# KiCad board mainboard.kicad_pcb (continued)
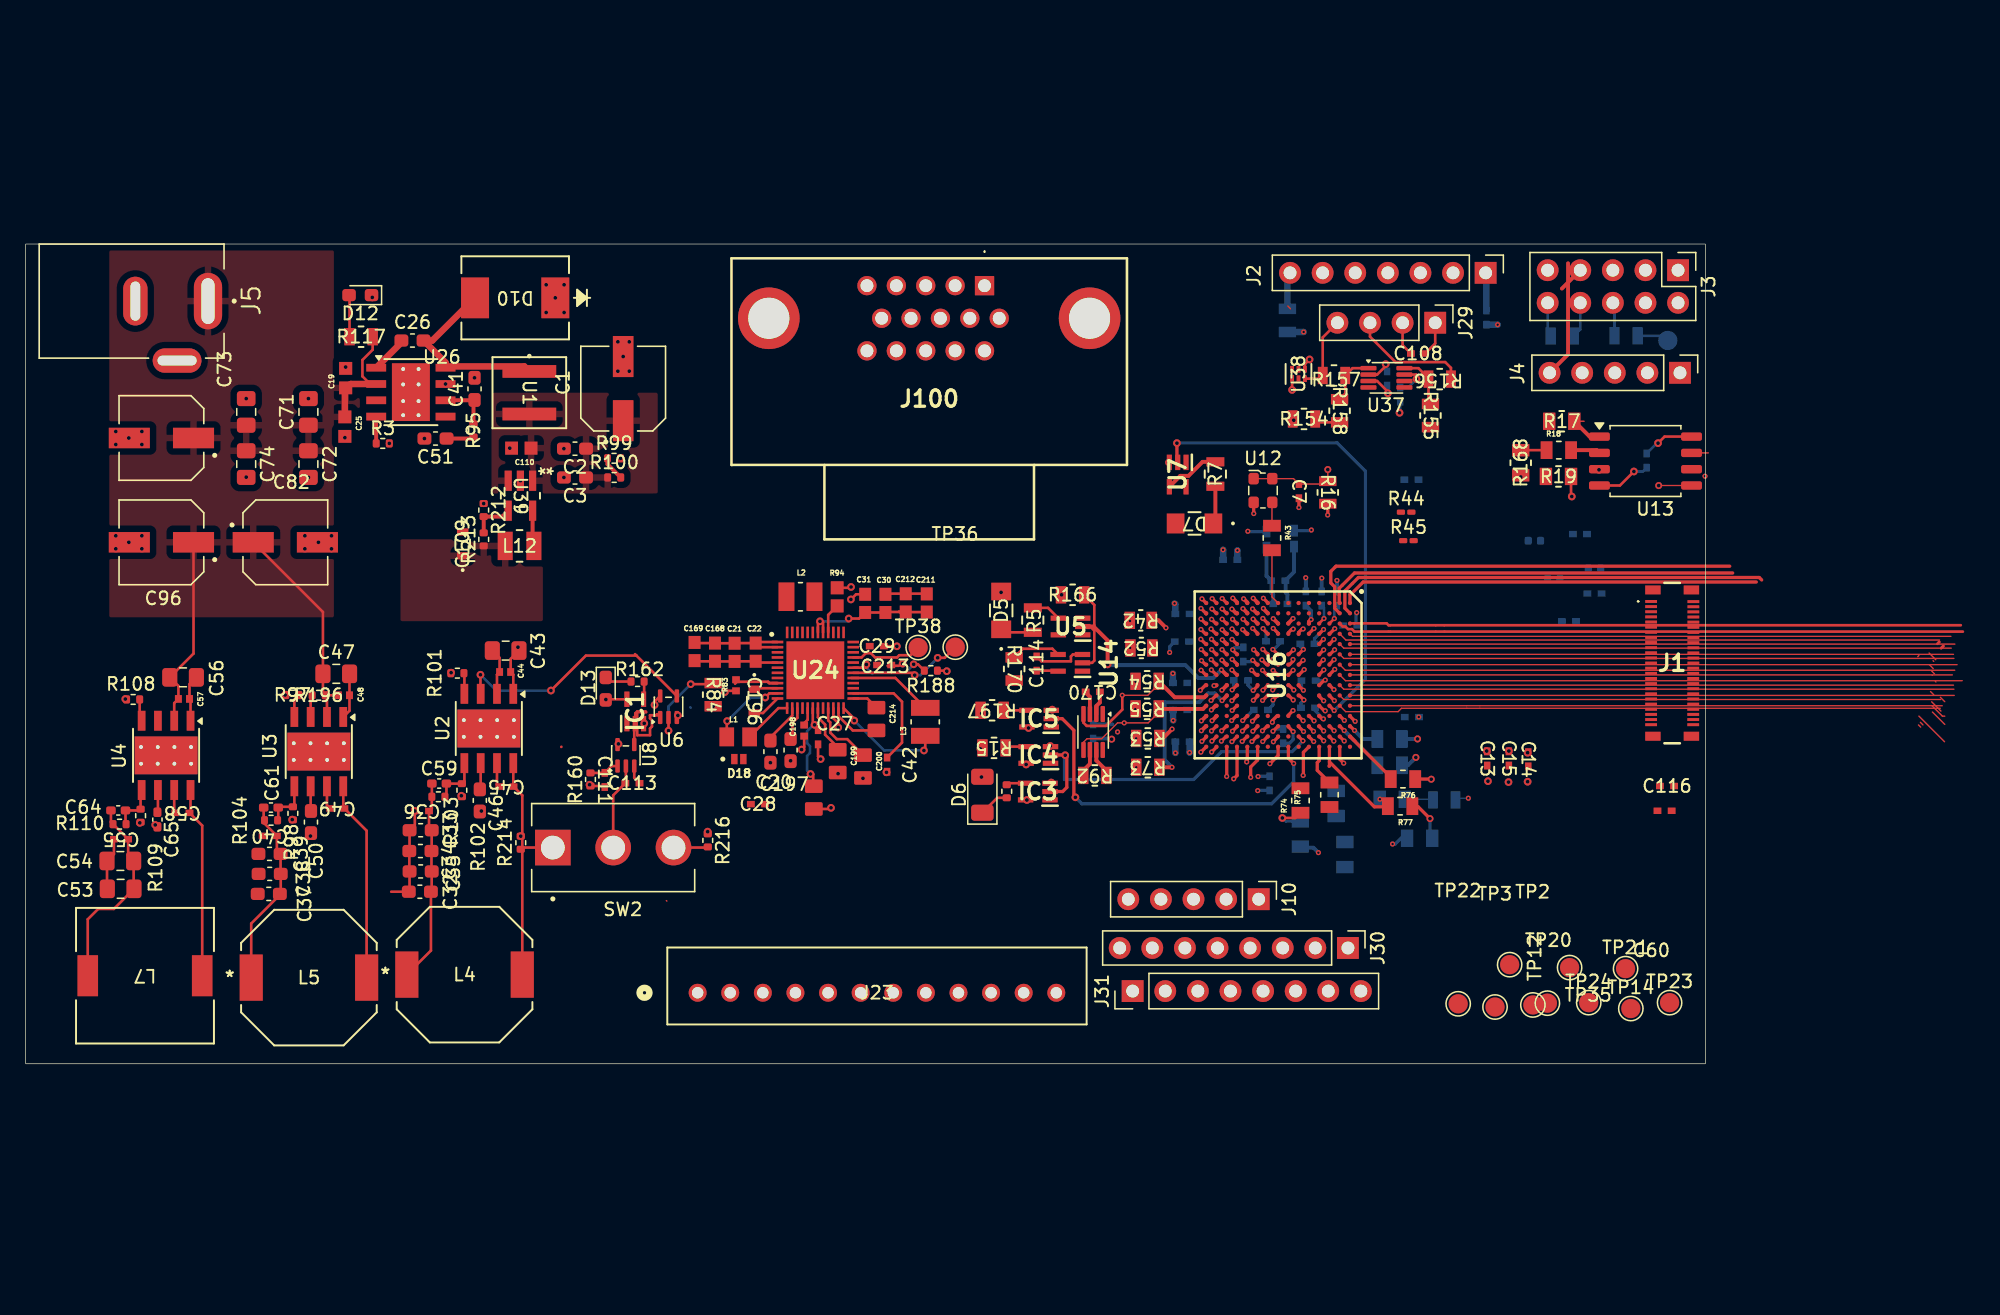
[diagram p0: board, top side]
## Library data of the parts (continued)
R94 R188 = -: Description: Resistor, US symbol; ki_fp_filters: R_*
R98 = -: Description: Resistor, US symbol; Manufacturer_Part_Number: ERJ-2RKF1243X; ki_fp_filters: R_*
R102 = -: Description: Resistor, US symbol; Manufacturer_Part_Number: MCR01MZPF4993; ki_fp_filters: R_*
R103 R104 R110 = -: Description: Resistor, US symbol; Manufacturer_Part_Number: CRCW0402100KFKED; ki_fp_filters: R_*
R109 = -: Description: Resistor, US symbol; Manufacturer_Part_Number: RC0402JR-073RL; ki_fp_filters: R_*
R162 = -: Description: Resistor, US symbol; Manufacturer_Part_Number: ERJ-2RKF2000X; ki_fp_filters: R_*
SW2 = -: PARTREV: E; STANDARD: Manufacturer Recommendations; MAXIMUM_PACKAGE_HEIGHT: 29.68 mm; MANUFACTURER: E-Switch
TP2 TP3 TP7 TP12 TP14 TP20-TP24 TP35 TP36 TP38 = -: Description: test point; ki_fp_filters: Pin* Test*
U1 = -: ki_fp_filters: XAL5030-472MEC_COC XAL5030-472MEC_COC-M XAL5030-472MEC_COC-L
U2-U4 = -: Datasheet: http://www.ti.com/lit/ds/symlink/lmr33610.pdf; Description: Simple Switcher Synchronous Buck Regulator, Vin=3.8-36V, Iout=1A, F=1400kHz, Adjustable output voltage, HSOP-8; ki_fp_filters: Texas*HSOP*1EP*
U6 = -: Datasheet: http://www.ti.com/lit/sg/scyt129e/scyt129e.pdf; Description: Single AND Gate, Low-Voltage CMOS; ki_fp_filters: SOT* SG-*
U8 = -: Datasheet: http://www.ti.com/lit/sg/scyt129e/scyt129e.pdf; Description: Single OR Gate, Low-Voltage CMOS; ki_fp_filters: SOT* SG-*
U12 = -: Datasheet: https://www.ecsxtal.com/store/pdf/ECS-2520MV.pdf; Description: HCMOS Crystal Clock Oscillator, 2.5x2.0 mm SMD; ki_fp_filters: Oscillator*SMD*ECS*2520MV*2.5x2.0mm*
U13 = -: Datasheet: https://www.macronix.com/Lists/Datasheet/Attachments/8933/MX25L3233F,%203V,%2032Mb,%20v1.7.pdf; Description: 32-Mbit, 3V (2.65V-3.6V) SPI Serial Flash Memory, SOIC-8 (SOP-8, 208 mil); ki_fp_filters: *SOIC*5.3x5.3mm*P1.27mm*
U16 = -: Datasheet: https://pdf1.alldatasheet.com/datasheet-pdf/view/1350713/TI/DLPC1438ZEZ.html; Description: Display Drivers & Controllers DLP controller for DLP300S and DLP301S digital micromirror devices (DMDs); Height: 1; Mouser Part Number: 595-DLPC1438ZEZ; Mouser Price/Stock: https://www.mouser.co.uk/ProductDetail/Texas-Instruments/DLPC1438ZEZ?qs=Wj%2FVkw3K%252BMDqwpT9OEVJ1g%3D%3D; Manufacturer_Name: Texas Instruments
U22 U37 = -: Datasheet: http://www.ti.com/lit/gpn/txs0102; Description: 2-Bit Bidirectional Voltage-Level Shifter for Open-Drain and Push-Pull Application, VSSOP-8; ki_fp_filters: VSSOP*2.3x2mm*P0.5mm*
U24 = -: Datasheet: http://www.ti.com/lit/gpn/dlpa2005; Description: High Current PMIC/LED Driver for DLP2010 DMD and DLP2010NIR (0.2 WVGA) DMD; Height: 1; Mouser Part Number: 595-DLPA2005ERSLT; Mouser Price/Stock: https://www.mouser.co.uk/ProductDetail/Texas-Instruments/DLPA2005ERSLT?qs=1CfNGUMoiQ9ojzQFPEJYnA%3D%3D; Manufacturer_Name: Texas Instruments
U26 = -: Datasheet: http://www.ti.com/lit/ds/symlink/tps54340.pdf; Description: 3.5A, Step Down DC-DC Converter with Eco-mode, 4.5-42V Input Voltage, PowerSO-8; ki_fp_filters: TI*SO*PowerPAD*ThermalVias*
U38 = -: Datasheet: https://www.ti.com/lit/gpn/tpd2e001; ki_fp_filters: DRY6
U39 = -: Datasheet: https://www.ti.com/lit/gpn/tps62260; ki_fp_filters: DDC5 DDC5-M DDC5-L

## Footprints (pads in the part's own frame, mm; a bottom-side part is the same pattern mirrored in y, then rotated)
AHDF15AKGTAXB
  rect 1.5x1.5 hole 1: 1(4.37,8.89)
  round 1.5 hole 1: 2(2.08,8.89) 3(-0.21,8.89) 4(-2.5,8.89) 5(-4.79,8.89) 6(5.515,6.35) 7(3.225,6.35) 8(0.935,6.35) 9(-1.355,6.35) 10(-3.645,6.35) 11(4.37,3.81) 12(2.08,3.81) 13(-0.21,3.81) 14(-2.5,3.81) 15(-4.79,3.81)
  round 4.8 hole 3.2: MH1(12.555,6.35) MH2(-12.435,6.35)
AXT550124
  rect 0.92x0.23 smd: 1(-1.64,4.8) 2(-1.64,4.4) 3(-1.64,4) 4(-1.64,3.6) 5(-1.64,3.2) 6(-1.64,2.8) 7(-1.64,2.4) 8(-1.64,2) 9(-1.64,1.6) 10(-1.64,1.2) 11(-1.64,0.8) 12(-1.64,0.4) 13(-1.64,0) 14(-1.64,-0.4) 15(-1.64,-0.8) 16(-1.64,-1.2) 17(-1.64,-1.6) 18(-1.64,-2) 19(-1.64,-2.4) 20(-1.64,-2.8) 21(-1.64,-3.2) 22(-1.64,-3.6) 23(-1.64,-4) 24(-1.64,-4.4) 25(-1.64,-4.8) 26(1.64,-4.8) 27(1.64,-4.4) 28(1.64,-4) 29(1.64,-3.6) 30(1.64,-3.2) 31(1.64,-2.8) 32(1.64,-2.4) 33(1.64,-2) 34(1.64,-1.6) 35(1.64,-1.2) 36(1.64,-0.8) 37(1.64,-0.4) 38(1.65,0) 39(1.65,0.39) 40(1.65,0.79) 41(1.65,1.19) 42(1.65,1.59) 43(1.65,1.99) 44(1.65,2.39) 45(1.65,2.79) 46(1.65,3.19) 47(1.65,3.59) 48(1.65,3.99) 49(1.65,4.39) 50(1.65,4.79)
  rect 1.2x0.7 smd: 51(-1.5,5.7) 52(1.5,5.7) 53(-1.5,-5.7) 54(1.5,-5.7)
B12B-XH-A-LF-SN-
  round 1.397 hole 0.889: 1(0,0) 2(2.54,0) 3(5.08,0) 4(7.62,0) 5(10.16,0) 6(12.7,0) 7(15.24,0) 8(17.78,0) 9(20.32,0) 10(22.86,0) 11(25.4,0) 12(27.94,0)
BGA201C80P15X15_1300X1300X100
  round 0.33 smd: A1(-5.6,5.6) A2(-4.8,5.6) A3(-4,5.6) A4(-3.2,5.6) A5(-2.4,5.6) A6(-1.6,5.6) A7(-0.8,5.6) A8(0,5.6) A9(0.8,5.6) A10(1.6,5.6) A11(2.4,5.6) A12(3.2,5.6) A13(4,5.6) A14(4.8,5.6) A15(5.6,5.6) B1(-5.6,4.8) B2(-4.8,4.8) B3(-4,4.8) B4(-3.2,4.8) B5(-2.4,4.8) B6(-1.6,4.8) B7(-0.8,4.8) B8(0,4.8) B9(0.8,4.8) B10(1.6,4.8) B11(2.4,4.8) B12(3.2,4.8) B13(4,4.8) B14(4.8,4.8) B15(5.6,4.8) C1(-5.6,4) C2(-4.8,4) C3(-4,4) C4(-3.2,4) C5(-2.4,4) C6(-1.6,4) C7(-0.8,4) C8(0,4) C9(0.8,4) C10(1.6,4) C11(2.4,4) C12(3.2,4) C13(4,4) C14(4.8,4) C15(5.6,4) D1(-5.6,3.2) D2(-4.8,3.2) D3(-4,3.2) D4(-3.2,3.2) D5(-2.4,3.2) D6(-1.6,3.2) D7(-0.8,3.2) D8(0,3.2) D9(0.8,3.2) D10(1.6,3.2) D11(2.4,3.2) D12(3.2,3.2) D13(4,3.2) D14(4.8,3.2) D15(5.6,3.2) E1(-5.6,2.4) E2(-4.8,2.4) E3(-4,2.4) E4(-3.2,2.4) E12(3.2,2.4) E13(4,2.4) E14(4.8,2.4) E15(5.6,2.4) F1(-5.6,1.6) F2(-4.8,1.6) F3(-4,1.6) F4(-3.2,1.6) F6(-1.6,1.6) F7(-0.8,1.6) F8(0,1.6) F9(0.8,1.6) F10(1.6,1.6) F12(3.2,1.6) F13(4,1.6) F14(4.8,1.6) F15(5.6,1.6) G1(-5.6,0.8) G2(-4.8,0.8) G3(-4,0.8) G4(-3.2,0.8) G6(-1.6,0.8) G7(-0.8,0.8) G8(0,0.8) G9(0.8,0.8) G10(1.6,0.8) G12(3.2,0.8) G13(4,0.8) G14(4.8,0.8) G15(5.6,0.8) H1(-5.6,0) H2(-4.8,0) H3(-4,0) H4(-3.2,0) H6(-1.6,0) H7(-0.8,0) H8(0,0) H9(0.8,0) H10(1.6,0) H12(3.2,0) H13(4,0) H14(4.8,0) H15(5.6,0) J1(-5.6,-0.8) J2(-4.8,-0.8) J3(-4,-0.8) J4(-3.2,-0.8) J6(-1.6,-0.8) J7(-0.8,-0.8) J8(0,-0.8) J9(0.8,-0.8) J10(1.6,-0.8) J12(3.2,-0.8) J13(4,-0.8) J14(4.8,-0.8) J15(5.6,-0.8) K1(-5.6,-1.6) K2(-4.8,-1.6) K3(-4,-1.6) K4(-3.2,-1.6) K6(-1.6,-1.6) K7(-0.8,-1.6) K8(0,-1.6) K9(0.8,-1.6) K10(1.6,-1.6) K12(3.2,-1.6) K13(4,-1.6) K14(4.8,-1.6) K15(5.6,-1.6) L1(-5.6,-2.4) L2(-4.8,-2.4) L3(-4,-2.4) L4(-3.2,-2.4) L12(3.2,-2.4) L13(4,-2.4) L14(4.8,-2.4) L15(5.6,-2.4) M1(-5.6,-3.2) M2(-4.8,-3.2) M3(-4,-3.2) M4(-3.2,-3.2) M5(-2.4,-3.2) M6(-1.6,-3.2) M7(-0.8,-3.2) M8(0,-3.2) M9(0.8,-3.2) M10(1.6,-3.2) M11(2.4,-3.2) M12(3.2,-3.2) M13(4,-3.2) M14(4.8,-3.2) M15(5.6,-3.2) N1(-5.6,-4) N2(-4.8,-4) N3(-4,-4) N4(-3.2,-4) N5(-2.4,-4) N6(-1.6,-4) N7(-0.8,-4) N8(0,-4) N9(0.8,-4) N10(1.6,-4) N11(2.4,-4) N12(3.2,-4) N13(4,-4) N14(4.8,-4) N15(5.6,-4) P1(-5.6,-4.8) P2(-4.8,-4.8) P3(-4,-4.8) P4(-3.2,-4.8) P5(-2.4,-4.8) P6(-1.6,-4.8) P7(-0.8,-4.8) P8(0,-4.8) P9(0.8,-4.8) P10(1.6,-4.8) P11(2.4,-4.8) P12(3.2,-4.8) P13(4,-4.8) P14(4.8,-4.8) P15(5.6,-4.8) R1(-5.6,-5.6) R2(-4.8,-5.6) R3(-4,-5.6) R4(-3.2,-5.6) R5(-2.4,-5.6) R6(-1.6,-5.6) R7(-0.8,-5.6) R8(0,-5.6) R9(0.8,-5.6) R10(1.6,-5.6) R11(2.4,-5.6) R12(3.2,-5.6) R13(4,-5.6) R14(4.8,-5.6) R15(5.6,-5.6)
BLM15P_FBD-M
  rect 0.914x0.61 smd: 1(-0.622,0) 2(0.622,0)
C1608X5R1A106M080AC
  rect 0.559x0.889 smd: 1(-0.927,0) 2(0.927,0)
C_0402_1005Metric
  rrect 0.56x0.62 smd: 1(-0.48,0) 2(0.48,0)
C_0402_1005Metric_Pad0.74x0.62mm_HandSolder
  rrect 0.735x0.62 smd: 1(-0.568,0) 2(0.568,0)
C_0603_1608Metric_Pad1.08x0.95mm_HandSolder
  rrect 1.075x0.95 smd: 1(-0.863,0) 2(0.863,0)
C_0805_2012Metric_Pad1.18x1.45mm_HandSolder
  rrect 1.175x1.45 smd: 1(-1.038,0) 2(1.038,0)
CAP_CL05_SAM
  rect 0.606x0.5 smd: 1(-0.553,0) 2(0.553,0)
CAP_EEEFT1V101AP
  rect 3.2x1.6 smd: 1(-2.5,0) 2(2.5,0)
CAPC1608X100N
  rect 1.01x0.93 smd: 1(-0.709,0) 2(0.709,0)
CAPC2012X135N
  rrect 1.05x1.38 smd: 1(-0.888,0) 2(0.888,0)
DDC5
  rect 1.575x0.559 smd: 1(-1.168,0.95) 2(-1.168,0) 3(-1.168,-0.95) 4(1.168,-0.95) 5(1.168,0.95)
DIO_PESD5V0S1UL_315
  rect 0.5x0.8 smd: A(0.35,0) K(-0.35,0)
DR1040
  rect 1.6x3.2 smd: 1(-4.458,0) 2(4.458,0)
DRY6
  rect 0.55x0.3 smd: 1(-0.355,0.5)
  rect 0.52x0.3 smd: 2(-0.37,0) 3(-0.37,-0.5) 4(0.37,-0.5) 5(0.37,0) 6(0.37,0.5)
GRM155R6YA224KE01D
  rect 0.54x0.6 smd: 1(-0.432,0) 2(0.432,0)
GRM188C81E475KE11D
  rect 1x1.02 smd: 1(-0.759,0) 2(0.759,0)
IND_BOURNS_SRU1038
  rect 1.803x3.607 smd: 1(-4.496,0) 2(4.496,0)
IND_LQM2HPN2R2MG0L_MUR
  rect 1.168x2.21 smd: 1(-1.118,0) 2(1.118,0)
INDC2012X100N
  rect 1.14x1.47 smd: 1(-0.89,0) 2(0.89,0)
INDC2520X100N
  rect 1.24x2.22 smd: 1(-1.09,0) 2(1.09,0)
LED_0603_1608Metric_Pad1.05x0.95mm_HandSolder
  rrect 1.05x0.95 smd: 1(-0.875,0) 2(0.875,0)
LED_1206_3216Metric
  rrect 1.25x1.75 smd: 1(-1.4,0) 2(1.4,0)
LED_SML-LX1206SIC-TR_LUM-M
  rect 1.372x1.549 smd: 1(-1.473,0) 2(1.473,0)
MPD_EJ508B
  oval 4.4x2.2 hole 3.56x1.02: 1(0,2.41)
  oval 3.8x1.9 hole 3.05x0.76: 2(0,-3.25)
  oval 1.9x3.8 hole 0.76x3.05: 3(4.635,0)
Oscillator_SMD_ECS_2520MV-xxx-xx-4Pin_2.5x2.0mm
  rrect 0.8x0.9 smd: 1(-0.725,0.925) 2(-0.725,-0.925) 3(0.725,-0.925) 4(0.725,0.925)
PinHeader_1x04_P2.54mm_Vertical
  rect 1.7x1.7 hole 1: 1(0,0)
  round 1.7 hole 1: 2(0,-2.54) 3(0,-5.08) 4(0,-7.62)
PinHeader_1x05_P2.54mm_Vertical
  rect 1.7x1.7 hole 1: 1(0,0)
  round 1.7 hole 1: 2(0,-2.54) 3(0,-5.08) 4(0,-7.62) 5(0,-10.16)
PinHeader_1x07_P2.54mm_Vertical
  rect 1.7x1.7 hole 1: 1(0,0)
  round 1.7 hole 1: 2(0,-2.54) 3(0,-5.08) 4(0,-7.62) 5(0,-10.16) 6(0,-12.7) 7(0,-15.24)
PinHeader_1x08_P2.54mm_Vertical
  rect 1.7x1.7 hole 1: 1(0,0)
  oval 1.7x1.7 hole 1: 2(0,-2.54) 3(0,-5.08) 4(0,-7.62) 5(0,-10.16) 6(0,-12.7) 7(0,-15.24) 8(0,-17.78)
PinHeader_1x08_P2.54mm_Vertical#2
  rect 1.7x1.7 hole 1: 1(0,0)
  round 1.7 hole 1: 2(0,-2.54) 3(0,-5.08) 4(0,-7.62) 5(0,-10.16) 6(0,-12.7) 7(0,-15.24) 8(0,-17.78)
PinHeader_2x05_P2.54mm_Vertical
  rect 1.7x1.7 hole 1: 1(0,0)
  round 1.7 hole 1: 2(2.54,0) 3(0,-2.54) 4(2.54,-2.54) 5(0,-5.08) 6(2.54,-5.08) 7(0,-7.62) 8(2.54,-7.62) 9(0,-10.16) 10(2.54,-10.16)
QFN40P600X600X100-49N-D
  rect 0.9x0.2 smd: 1(-2.95,2.2) 2(-2.95,1.8) 3(-2.95,1.4) 4(-2.95,1) 5(-2.95,0.6) 6(-2.95,0.2) 7(-2.95,-0.2) 8(-2.95,-0.6) 9(-2.95,-1) 10(-2.95,-1.4) 11(-2.95,-1.8) 12(-2.95,-2.2) 25(2.95,-2.2) 26(2.95,-1.8) 27(2.95,-1.4) 28(2.95,-1) 29(2.95,-0.6) 30(2.95,-0.2) 31(2.95,0.2) 32(2.95,0.6) 33(2.95,1) 34(2.95,1.4) 35(2.95,1.8) 36(2.95,2.2)
  rect 0.2x0.9 smd: 13(-2.2,-2.95) 14(-1.8,-2.95) 15(-1.4,-2.95) 16(-1,-2.95) 17(-0.6,-2.95) 18(-0.2,-2.95) 19(0.2,-2.95) 20(0.6,-2.95) 21(1,-2.95) 22(1.4,-2.95) 23(1.8,-2.95) 24(2.2,-2.95) 37(2.2,2.95) 38(1.8,2.95) 39(1.4,2.95) 40(1,2.95) 41(0.6,2.95) 42(0.2,2.95) 43(-0.2,2.95) 44(-0.6,2.95) 45(-1,2.95) 46(-1.4,2.95) 47(-1.8,2.95) 48(-2.2,2.95)
  rect 4.5x4.5 smd: 49(0,0)
R_0201_0603Metric_Pad0.64x0.40mm_HandSolder
  rrect 0.458x0.36 smd: (-0.432,0) (0.432,0)
  rrect 0.635x0.4 smd: 1(-0.407,0) 2(0.407,0)
R_0402_1005Metric
  rrect 0.54x0.64 smd: 1(-0.51,0) 2(0.51,0)
RES_CRCW_0805
  rect 0.711x1.397 smd: 1(-0.953,0) 2(0.953,0)
RES_ERJP06_PAN
  rect 0.813x1.346 smd: 1(-0.902,0) 2(0.902,0)
RES_R-070RL_VIS
  rect 0.762x1.346 smd: 1(-0.876,0) 2(0.876,0)
RES_RM10_CCE
  rect 0.813x1.346 smd: 1(-0.851,0) 2(0.851,0)
RES_RMCF0805_STP
  rect 0.965x1.346 smd: 1(-0.978,0) 2(0.978,0)
RESC1005X40N
  rect 0.54x0.6 smd: 1(-0.432,0) 2(0.432,0)
RESC1608X60N
  rect 1.02x1 smd: 1(-0.705,0) 2(0.705,0)
RESC2012X60N
  rect 0.92x1.38 smd: 1(-0.955,0) 2(0.955,0)
SMC_DIO
  rect 2.18x3.18 smd: 1(-3.127,0) 2(3.127,0)
SOIC-8_5.3x5.3mm_P1.27mm
  rrect 1.625x0.65 smd: 1(-3.587,1.905) 2(-3.587,0.635) 3(-3.587,-0.635) 4(-3.587,-1.905) 5(3.587,-1.905) 6(3.587,-0.635) 7(3.587,0.635) 8(3.587,1.905)
SOT65P210X110-5N
  rect 1.2x0.4 smd: 1(-0.95,0.65) 2(-0.95,0) 3(-0.95,-0.65) 4(0.95,-0.65) 5(0.95,0.65)
SOT-353_SC-70-5
  rrect 1.025x0.35 smd: 1(-0.838,0.65) 2(-0.838,0) 3(-0.838,-0.65) 4(0.838,-0.65) 5(0.838,0.65)
STA_RMCF0805_STP
  rect 0.813x1.346 smd: 1(-0.902,0) 2(0.902,0)
SW_100SP1T1B4M2QE
  rect 2.775x2.775 hole 1.85: 1(0,4.7)
  round 2.775 hole 1.85: 2(0,0) 3(0,-4.7)
TestPoint_Pad_D1.5mm
  round 1.5 smd: 1(0,0)
Texas_HSOP-8-1EP_3.9x4.9mm_P1.27mm_ThermalVias
  rect 2.6x3.1 smd: (0,0) (0,0)
  rect 1.55x0.6 smd: 1(-2.7,1.905) 2(-2.7,0.635) 3(-2.7,-0.635) 4(-2.7,-1.905) 5(2.7,-1.905) 6(2.7,-0.635) 7(2.7,0.635) 8(2.7,1.905)
  round 0.6 hole 0.3: 9(-0.65,1.95) 9(-0.65,0.65) 9(-0.65,-0.65) 9(-0.65,-1.95) 9(0.65,1.95) 9(0.65,0.65) 9(0.65,-0.65) 9(0.65,-1.95)
  rect 2.95x4.9 smd: 9(0,0)
  rect 2.95x4.9 smd far side: 9(0,0)
TI_SO-PowerPAD-8_ThermalVias
  rect 1.55x0.6 smd: 1(-2.7,1.905) 2(-2.7,0.635) 3(-2.7,-0.635) 4(-2.7,-1.905) 5(2.7,-1.905) 6(2.7,-0.635) 7(2.7,0.635) 8(2.7,1.905)
  round 0.6 hole 0.3: 9(-0.6,1.8) 9(-0.6,0.6) 9(-0.6,-0.7) 9(-0.6,-1.8) 9(0.6,1.8) 9(0.6,0.6) 9(0.6,-0.7) 9(0.6,-1.8)
  rect 2.6x3.1 smd: 9(0,0)
  rect 2.95x4.5 smd: 9(0,0)
  rect 2.95x4.5 smd far side: 9(0,0)
ul_CL05B104KO5NNNC
  rect 0.606x0.5 smd: 1(-0.553,0) 2(0.553,0)
VSSOP-8_2.3x2mm_P0.5mm
  rrect 1.25x0.35 smd: 1(-1.4,0.75) 2(-1.4,0.25) 3(-1.4,-0.25) 4(-1.4,-0.75) 5(1.4,-0.75) 6(1.4,-0.25) 7(1.4,0.25) 8(1.4,0.75)
XAL5030-472MEC_COC
  rect 0.991x4.191 smd: 1(-1.66,0) 2(1.66,0)

## Nets
/DLPC1438_Interface/VDD_PLL: C130.2 C131.2 F3.1 U16.H2 U16.J2
/DLPC1438_Interface/VSS_PLL: C130.1 C131.1 F2.1 U16.G3 U16.H3
GND: C1.2 C2.2 C3.2 C7.2 C13.1 C14.1 C15.1 C19.2 C20.2 C21.2 C22.2 C25.2 C27.2 C28.1 C29.2 C30.2 C31.2 C32.2 C33.2 C34.2 C35.2 C36.2 C37.2 C38.2 C39.2 C40.2 C41.2 C42.1 C43.2 C44.2 C46.2 C47.2 C48.2 C50.2 C51.2 C53.2 C54.2 C55.2 C56.2 C57.2 C60.2 C65.2 C71.2 C72.2 C73.2 C74.2 C82.2 C83.2 C96.2 C108.1 C109.2 C110.2 C111.2 C112.1 C113.2 C114.2 C115.2 C116.1 C117.2 C118.2 C119.2 C120.1 C121.1 C122.1 C123.1 C124.1 C125.1 C126.1 C127.1 C128.1 C129.1 C132.1 C133.1 C134.1 C138.1 C139.1 C140.1 C141.1 C142.1 C143.1 C144.1 C145.1 C155.1 C156.1 C157.1 C168.2 C169.2 C170.1 C171.2 C196.2 C197.1 C198.1 C199.2 C200.2 C201.2 C211.2 C212.2 C213.2 C214.2 C238.1 C239.1 D10.1 D12.1 F2.2 IC1.3 IC3.3 IC4.3 IC5.3 J1.2 J1.7 J1.12 J1.15 J1.20 J1.21 J1.22 J1.25 J1.26 J1.30 J1.31 J1.36 J1.39 J1.44 J1.48 J1.49 J1.51 J1.52 J1.53 J1.54 J2.2 J3.2 J3.10 J4.1 J5.3 J10.1 J23.1 J29.2 J100.15 R3.2 R19.1 R42.2 R52.2 R94.2 R98.2 R99.2 R102.2 R109.2 R160.1 R164.1 R165.1 R168.1 R174.1 R176.2 R178.2 R179.2 R188.1 R212.1 R214.2 U2.1 U2.9 U3.1 U3.9 U4.1 U4.9 U5.3 U6.3 U7.3 U8.3 U12.2 U13.4 U14.3 U16.C4 U16.C6 U16.C8 U16.C10 U16.D6 U16.D8 U16.D10 U16.E4 U16.E13 U16.F4 U16.F6 U16.F7 U16.F8 U16.F9 U16.F10 U16.G4 U16.G6 U16.G7 U16.G8 U16.G9 U16.G10 U16.G12 U16.G13 U16.H4 U16.H6 U16.H7 U16.H8 U16.H9 U16.H10 U16.H12 U16.J3 U16.J6 U16.J7 U16.J8 U16.J9 U16.J10 U16.J13 U16.K4 U16.K6 U16.K7 U16.K8 U16.K9 U16.K10 U16.K12 U16.L3 U16.M4 U16.M5 U16.M8 U16.M12 U16.P4 U16.P5 U16.P6 U16.P7 U16.P8 U16.P9 U16.P10 U16.R1 U16.R2 U16.R3 U16.R4 U16.R5 U16.R6 U16.R7 U16.R8 U16.R9 U22.2 U24.5 U24.12 U24.20 U24.23 U24.45 U24.46 U24.49 U26.7 U26.9 U37.2 U38.4 U39.2
P5V: C1.1 C2.1 C3.1 C21.1 C22.1 C27.1 C110.1 C168.1 C169.1 C196.1 C201.1 C214.1 R100.1 U1.2 U24.1 U24.2 U24.10 U24.18 U24.25 U38.1 U39.1 U39.3
V2V5: C199.1 U24.19
V6V: C29.1 U24.35
/DLPA2005_Interface/<NO NET>: L1.1 U24.13
/DLPA2005_Interface/GRN_CATHODE: U24.38
/DLPA2005_Interface/L1: L2.2 U24.47 U24.48
/DLPA2005_Interface/L2: L2.1 U24.43 U24.44
/DLPA2005_Interface/LED_ANODE: C30.1 C31.1 C211.1 C212.1 U24.41 U24.42
/DLPA2005_Interface/LED_SEL_1: R171.2 R174.2 TP21.1 U24.34
/DLPA2005_Interface/PMIC_SPI_DOUT: R83.1 U24.9
/DLPA2005_Interface/PROJ_ON: IC1.2 U6.1 U8.4 U16.G14 U24.27
/DLPA2005_Interface/PWM_IN: C42.2 U24.26
/DLPA2005_Interface/RC_CHARGE: U16.H14
/DLPA2005_Interface/RLIM: R94.1 U24.36 U24.40
/DLPA2005_Interface/SENS2: TP36.1 U24.30
/DLPA2005_Interface/SENS!: TP38.1 U24.33
/DLPA2005_Interface/SWC: L3.1 U24.24
/DLPA2005_Interface/SWN: L1.2 U24.11
/DLPA2005_Interface/VRST: C13.2 C20.1 C124.2 J1.45 TP22.1 U24.14
/DLPC1438_Interface/CMP_OUT: U16.A12 U24.28
/DLPC1438_Interface/DATEN_CM_D: J100.12 U16.P2
/DLPC1438_Interface/DLPC_3DR: R52.1 U16.N6
/DLPC1438_Interface/DLPC_FLSH_PROG: R163.1 TP7.1
/DLPC1438_Interface/DLPC_HOST_IRQ: R166.2 U5.2 U14.2 U16.N8
/DLPC1438_Interface/DLPC_LED_SEL_0: TP20.1 U16.B15
/DLPC1438_Interface/DLPC_LED_SEL_1: R171.1 U16.B14
/DLPC1438_Interface/DLPC_PLLO: TP14.1 U16.J1
/DLPC1438_Interface/DLPC_SPICLK: R172.2 U16.A13
/DLPC1438_Interface/DLPC_SPICSZ0: R76.2 U16.A14
/DLPC1438_Interface/DLPC_SPIDOUT: R173.2 U16.B13
/DLPC1438_Interface/DMD_DEN_ARSTZ: J1.4 U16.B1
/DLPC1438_Interface/DMD_HS_CLK_N: J1.14 U16.B7
/DLPC1438_Interface/DMD_HS_CLK_P: J1.13 U16.A7
/DLPC1438_Interface/DMD_HS_WDATAA_N: J1.19 U16.B11
/DLPC1438_Interface/DMD_HS_WDATAA_P: J1.18 U16.A11
/DLPC1438_Interface/DMD_HS_WDATAB_N: J1.17 U16.B10
/DLPC1438_Interface/DMD_HS_WDATAB_P: J1.16 U16.A10
/DLPC1438_Interface/DMD_HS_WDATAC_N: J1.32 U16.B9
/DLPC1438_Interface/DMD_HS_WDATAC_P: J1.33 U16.A9
/DLPC1438_Interface/DMD_HS_WDATAD_N: J1.34 U16.B8
/DLPC1438_Interface/DMD_HS_WDATAD_P: J1.35 U16.A8
/DLPC1438_Interface/DMD_HS_WDATAE_N: J1.40 U16.B6
/DLPC1438_Interface/DMD_HS_WDATAE_P: J1.41 U16.A6
/DLPC1438_Interface/DMD_HS_WDATAF_N: J1.42 U16.B5
/DLPC1438_Interface/DMD_HS_WDATAF_P: J1.43 U16.A5
/DLPC1438_Interface/DMD_HS_WDATAG_N: J1.11 U16.B4
/DLPC1438_Interface/DMD_HS_WDATAG_P: J1.10 U16.A4
/DLPC1438_Interface/DMD_HS_WDATAH_N: J1.9 U16.B3
/DLPC1438_Interface/DMD_HS_WDATAH_P: J1.8 U16.A3
/DLPC1438_Interface/DMD_LS_RDATA: J1.3 U16.B2
/DLPC1438_Interface/EXT_I2CPWR: C108.2 J29.1
/DLPC1438_Interface/EXT_I2CPWR_F: U38.6
/DLPC1438_Interface/EXT_SCL: J29.3 R156.1
/DLPC1438_Interface/EXT_SCL_T: R155.1 R156.2 U37.8
/DLPC1438_Interface/EXT_SDA: J29.4 R157.1 U38.3
/DLPC1438_Interface/EXT_SDA_T: R157.2 R158.1 U37.1
/DLPC1438_Interface/FPGA_RDY: J23.12 U16.K14
/DLPC1438_Interface/GPIO_1: R77.2 U16.C15
/DLPC1438_Interface/GPIO_2: R74.2 U16.D14
/DLPC1438_Interface/GPIO_3: R75.2 R177.2 U16.D15
/DLPC1438_Interface/GPIO_4: J30.1 U16.E14
/DLPC1438_Interface/GPIO_5: J30.2 U16.E15
/DLPC1438_Interface/GPIO_12: J30.3 U16.J14
/DLPC1438_Interface/GPIO_15: J30.4 U16.K15
/DLPC1438_Interface/GPIO_16: J30.5 U16.L14
/DLPC1438_Interface/GPIO_17: J30.6 U16.L15
/DLPC1438_Interface/GPIO_18: J30.7 U16.M14
/DLPC1438_Interface/GPIO_19: J30.8 U16.M15
/DLPC1438_Interface/HOST_IR: J23.5 R170.1 U14.4
/DLPC1438_Interface/HSYNC: J100.11 U16.N5
/DLPC1438_Interface/I2C1_33_EN: R92.2 U22.6
/DLPC1438_Interface/IIC0_SCL: J23.7 R73.1 U16.N10 U37.5
/DLPC1438_Interface/IIC0_SDA: J23.6 R53.1 U16.N9 U37.4
/DLPC1438_Interface/IIC1_SCL: J100.13 U22.8
/DLPC1438_Interface/IIC1_SCL_1p8: R55.1 U16.R11 U22.5
/DLPC1438_Interface/IIC1_SDA: J100.14 U22.1
/DLPC1438_Interface/IIC1_SDA_1p8: R54.1 U16.R10 U22.4
/DLPC1438_Interface/INTZ: R84.1 U6.2 U16.C13 U24.6
/DLPC1438_Interface/JTAG_TCK: J2.3 U16.P12
/DLPC1438_Interface/JTAG_TDI: J2.5 U16.P13
/DLPC1438_Interface/JTAG_TDO: J2.4 U16.N13
/DLPC1438_Interface/JTAG_TMS: J2.6 U16.M13
/DLPC1438_Interface/JTAG_TRSTZ: J2.7 R164.2 U16.P11
/DLPC1438_Interface/LS_CLK: J1.6 R45.1 R45.2 U16.A1
/DLPC1438_Interface/LS_WDATA: J1.5 R44.1 R44.2 U16.A2
/DLPC1438_Interface/OSC_OUT: R43.2 U16.H1
/DLPC1438_Interface/OSC_OUT_T: R43.1 TP12.1 U12.3
/DLPC1438_Interface/PCLK: J100.9 U16.P3
/DLPC1438_Interface/PDATA0: J100.1 U16.K2
/DLPC1438_Interface/PDATA1: J100.2 U16.K1
/DLPC1438_Interface/PDATA2: J100.3 U16.L2
/DLPC1438_Interface/PDATA3: J100.4 U16.L1
/DLPC1438_Interface/PDATA4: J100.5 U16.M2
/DLPC1438_Interface/PDATA5: J100.6 U16.M1
/DLPC1438_Interface/PDATA6: J100.7 U16.N2
/DLPC1438_Interface/PDATA7: J100.8 U16.N1
/DLPC1438_Interface/PDM_CVS_TE: R42.1 U16.N4
/DLPC1438_Interface/RESETZ: U7.2 U16.C11 U24.4
/DLPC1438_Interface/RSTZ_LED: D7.1 R7.1
/DLPC1438_Interface/RSTZ_LED_OUT: R7.2 U7.4
/DLPC1438_Interface/SPI0_5V: J3.4 J3.6 R163.2
/DLPC1438_Interface/SPI0_CLK: J3.7 J4.5 R19.2 R172.1 U13.6
/DLPC1438_Interface/SPI0_CSZ0: J3.9 J4.4 R17.2 R76.1 U13.1
/DLPC1438_Interface/SPI0_MISO: J3.5 J4.2 R18.1 R168.2 U16.B12
/DLPC1438_Interface/SPI0_MISO_T: R18.2 U13.2
/DLPC1438_Interface/SPI0_MOSI: J3.8 J4.3 R165.2 R173.1 U13.5
/DLPC1438_Interface/SPI1_CLK: J10.5 R77.1 R176.1 U24.7
/DLPC1438_Interface/SPI1_CSZ0: J10.4 R75.1 U24.8
/DLPC1438_Interface/SPI1_MISO: J10.2 R83.2 R179.1 U16.C14
/DLPC1438_Interface/SPI1_MOSI: J10.3 R74.1 R178.1 U24.3
/DLPC1438_Interface/THERM_PWR: U16.H15
/DLPC1438_Interface/TSTPT_0: J31.1 U16.R12
/DLPC1438_Interface/TSTPT_1: J31.2 U16.R13
/DLPC1438_Interface/TSTPT_2: J31.3 U16.R14
/DLPC1438_Interface/TSTPT_3: J31.4 U16.R15
/DLPC1438_Interface/TSTPT_4: J31.5 U16.P14
/DLPC1438_Interface/TSTPT_5: J31.6 U16.P15
/DLPC1438_Interface/TSTPT_6: J31.7 U16.N14
/DLPC1438_Interface/TSTPT_7: J31.8 U16.N15
/DLPC1438_Interface/VOSC: C7.1 R16.1 U12.1 U12.4
/DLPC1438_Interface/VSYNC: J100.10 U16.P1
/DMD_Interface/PRINT_ACTIVE: IC5.4 R197.1
/DMD_Interface/SYS_RDY: IC4.4 J23.10 R15.1
/DMD_Interface/SYS_RDY_LED: D6.1 R6.1
/DMD_Interface/SYS_RDY_LED_DRV: IC3.4 R6.2
/FPGA_Connections/FE_PROJ_ON: C111.1 J23.8 R160.2 U8.1
/FPGA_Connections/PROJ_ON: J23.4
/FPGA_Connections/SPI_READY_BUF: J23.11
/Power_Input&Generation/FPGA_PWREN: U2.3 U4.3 U6.4
/Power_Input&Generation/P1P2V_BOOT: C45.2 U2.7
/Power_Input&Generation/P1P2V_FB: C59.2 R102.1 R103.2 U2.5
/Power_Input&Generation/P1P2V_PG: R101.1 U2.4
/Power_Input&Generation/P1P2V_SW: C45.1 L4.2 U2.8
/Power_Input&Generation/P1P2V_VCC: C46.1 U2.6
/Power_Input&Generation/P1P8V_BOOT: C49.2 U3.7
/Power_Input&Generation/P1P8V_EN: R196.2 U3.3
/Power_Input&Generation/P1P8V_FB: C61.2 R98.1 R104.2 U3.5
/Power_Input&Generation/P1P8V_PG: R97.1 U3.4
/Power_Input&Generation/P1P8V_SW: C49.1 L5.2 U3.8
/Power_Input&Generation/P1P8V_VCC: C50.1 U3.6
/Power_Input&Generation/P3P3V_BOOT: C58.2 U4.7
/Power_Input&Generation/P3P3V_FB: C64.2 R109.1 R110.2 U4.5
/Power_Input&Generation/P3P3V_PG: R108.1 U4.4
/Power_Input&Generation/P3P3V_SW: C58.1 L7.1 U4.8
/Power_Input&Generation/P3P3V_VCC: C65.1 U4.6
/Power_Input&Generation/PROJ_ON_DRV: IC1.4 R162.2
/Power_Input&Generation/SW_PROJ_ON: C113.1 SW2.2 U8.2
EXT_VIN: C19.1 C25.1 C43.1 C44.1 C47.1 C48.1 C56.1 C57.1 C71.1 C72.1 C73.1 C74.1 C82.1 C83.1 C96.1 J5.1 R117.2 R196.1 U2.2 U3.2 U4.2 U26.2
GPIO_6: IC3.2 IC4.2 U16.F14
GPIO_9: IC5.2 U16.G15
P1P1V: C28.2 C120.2 C125.2 C126.2 C127.2 C128.2 C132.2 C139.2 C140.2 C141.2 C142.2 C143.2 C155.2 F3.2 L3.2 TP35.1 U16.C3 U16.C5 U16.D3 U16.D5 U16.D7 U16.D9 U16.D12 U16.D13 U16.E3 U16.F13 U16.H13 U16.J4 U16.J12 U16.K3 U16.L4 U16.L12 U16.L13 U16.M6 U16.M9 U16.M10 U24.29
P1P2V: C32.1 C33.1 C34.1 C35.1 C36.1 C59.1 L4.1 R103.1
P1P8V: C37.1 C38.1 C39.1 C40.1 C61.1 C238.2 L5.1 R104.1 U24.22 U37.3
P1P8V_DLPC: C60.1 C112.2 C114.1 C116.2 C117.1 C118.1 C119.1 C121.2 C129.2 C133.2 C134.2 C144.2 C145.2 C156.2 C157.2 C170.2 C213.1 IC3.5 IC4.5 IC5.5 J1.1 J1.37 J1.38 J1.50 J2.1 R16.2 R53.2 R54.2 R55.2 R73.2 R166.1 R177.1 TP3.1 U5.5 U7.5 U14.5 U16.C7 U16.C9 U16.D4 U16.E12 U16.F12 U16.K13 U16.M3 U16.M7 U16.M11 U16.N3 U16.N7 U22.3 U24.32
P3P3V: C53.1 C54.1 C55.1 C64.1 C171.1 D5.2 D6.2 D7.2 L7.2 R15.2 R92.1 R110.1 R170.2 R197.2 U22.7
P3P3V_SB: C109.1 C115.1 C138.2 D13.2 IC1.5 L12.1 R17.1 R84.2 R97.2 R101.2 R108.2 R154.1 R213.1 R216.1 U6.5 U8.5 U13.3 U13.7 U13.8 U16.D11
VBIAS: C14.2 C123.2 C197.2 J1.46 TP24.1 U24.15
VOFS: C15.2 C122.2 C198.2 J1.47 TP23.1 U24.17
Net-(C51-Pad1): C51.1 R95.2
Net-(D5-Pad1): D5.1 R5.1
Net-(D10-C): C26.2 D10.2 U1.1 U26.8
Net-(D12-A): D12.2 R117.1
Net-(D13-K): D13.1 R162.1
Net-(R100-Pad2): R99.1 R100.2
Net-(R214-Pad1): R214.1 SW2.1
Net-(R216-Pad2): R216.2 SW2.3
Net-(U5-Y): R5.2 U5.4
Net-(U24-LED_SEL0): R188.2 U24.31
Net-(U24-LS_OUT): C200.1 TP2.1 U24.21
Net-(U26-BOOT): C26.1 U26.1
Net-(U26-COMP): C41.1 R95.1 U26.6
Net-(U26-RT/CLK): R3.1 U26.4
Net-(U39-FB): R212.2 R213.2 U39.4
Net-(U39-SW): L12.2 U39.5

Pads without a net: C239 2; D18 A K; IC1 1; IC3 1; IC4 1; IC5 1; J1 23 24 27 28 29; J3 1 3; J5 2; J23 2 3 9; J100 MH1 MH2; R154 2; R155 2; R158 2; U5 1; U7 1; U14 1; U16 A15 C1 C2 C12 D1 D2 E1 E2 F1 F2 F3 F15 G1 G2 J15 N11 N12; U24 16 37 39; U26 3 5; U37 6 7; U38 2 5

## Via types
v1: diameter 0.6, hole 0.3, Top to Bottom, 86 vias
v2: diameter 0.55, hole 0.3, Top to Bottom, 49 vias
v3: diameter 0.4, hole 0.2, Top to Bottom, 194 vias

## Routing (per net, layer and track width the routed paths; a pad name or vN(x,y) marks a point on that pad's centre or on a via; arc(x,y) is an arc through that point)
/DLPC1438_Interface/VDD_PLL: length 5.6
  Top w0.3: v3(96.42,35.48) 96.42,35.45 96.77,35.1
  Bottom w0.1: 97.14,37.73 97.22,37.65
  Bottom w0.3: 96.55,40.11 F3.1 96.66,38.02 C130.2 97.06,37.62 97.06,36.71 97.05,36.7 97.19,36.56 C131.2 ; 96.52,35.38 v3(96.42,35.48)
/DLPC1438_Interface/VSS_PLL: length 5.9
  Top w0.3: v3(97.19,34.68) 97.57,34.3 97.57,34.3 ; 98.37,34.3 98.37,34.33 v3(98.73,34.69)
  Bottom w0.3: C131.1 98.3,36.57 98.17,36.7 98.17,37.62 C130.1 98.81,38.33 F2.1
GND: length 140.3
  Top w0.1: 49.91,12.71 49.95,12.67
  Top w0.2: C27.2 61.73,23.94 v1(61.93,23.74) ; C31.2 64.69,36.58 v1(64.29,36.18) ; v1(38.35,32.46) 38.43,32.38 C43.2 37.78,31.55 C44.2 37.99,30.32 U2.1 ; v1(67.87,32.53) 67.86,32.54 C29.2 ; C13.1 113.85,24.34 v1(113.82,24.37) ; C42.1 67.1,22.75 v1(67.06,22.71) ; C111.2 45.03,21.64 R160.1 44,21.67 v1(43.93,21.74) ; 41.72,24.69 41.73,24.7 ; C113.2 47.41,22.27 U8.3 ; IC5.3 79.92,27.54 v1(79.97,27.59) ; v1(125.29,46.15) 124.2,45.06 U13.4 ; v1(35.5,19.69) 35.46,19.65 C46.2 ; v1(22.19,17.74) 22.23,17.78 C50.2 ; 69.87,36.67 69.83,36.63 68.29,36.63 68.29,36.63 66.71,36.63 ; v1(30.32,19.69) 30.32,18.6 C33.2 29.91,16.59 C34.2 29.89,15 C35.2 29.91,13.46 C32.2 28.48,13.4 ; R102.2 33.98,20.84 v1(33.94,20.88) ; U38.4 99.66,54.52 v1(100.02,54.88) ; J29.2 107.27,55.99 C108.1 ; v1(79.9,21.91) 79.85,21.86 IC3.3 ; C53.2 6.34,13.65 C54.2 6.88,16.34 C55.2 ; C14.1 117.05,24.28 v1(117.01,24.24) ; v1(71.76,30.59) 71.72,30.63 R188.1 ; U3.1 25.23,27.51 C48.2 25.23,30.37 C47.2 ; R109.2 8.94,18.82 v1(8.89,18.77) ; U24.5 56.97,31.26 C22.2 55.24,31.36 C21.2 53.71,31.35 C168.2 52.16,31.36 C169.2 ; v1(79.82,24.76) 79.84,24.74 IC4.3 ; U37.2 105.29,53.7 105.95,54.37 v1(105.95,54.51) ; R94.2 64.23,37.08 v1(64.3,37.15) ; C200.2 v1(65.23,22.24) ; C114.2 79.13,31.36 81.43,31.36 81.43,31.74 81.58,31.89 U14.3 ; R168.1 v1(116.47,45.72) ; C198.1 60.65,24.68 v1(60.45,24.48) ; 68.31,31.07 68.32,31.08 v1(68.32,31.18) ; D12.1 26.94,59.77 v1(27,59.71) ; v1(50.81,27.14) 50.73,27.06 U6.3 ; C196.2 57.44,27.33 U24.12 ; R98.2 20.79,19 v1(20.77,19.02) ; C56.2 12.76,29.57 C57.2 12.84,28.35 U4.1 ; C15.1 v1(115.55,24.37) ; v1(62.74,19.94) 62.65,19.85 C201.2 ; v1(10.09,18.61) 10.24,18.46 C65.2 ; v1(63.29,22.6) 63.26,22.63 C199.2 ; 67.15,31.01 68.03,31.01 ; C214.2 64.43,25.97 63.32,27.09 U24.23
  Top w0.25: 98.73,31.42 v3(98.73,31.5) 98.73,31.37 98.46,31.1 98.37,31.1 ; 97.57,31.9 97.54,31.9 v3(97.16,32.28) ; 92.77,32.7 92.76,32.7 v3(92.38,33.08) ; 92.77,31.1 92.75,31.1 v3(92.36,31.49) ; 98.37,28.7 98.39,28.7 v3(98.75,28.34) ; 99.17,29.5 99.17,29.47 v3(99.54,29.1) ; 101.57,30.3 101.57,30.32 v3(101.98,30.73) ; 91.97,31.09 91.97,31.1 91.91,31.1 v3(91.6,31.41) ; v3(96.38,32.29) 96.77,31.9 96.77,31.9 ; v3(93.98,33.07) 94.35,32.7 94.37,32.7 ; 100.77,30.3 100.77,30.33 v3(101.13,30.69) ; 91.97,35.89 91.97,35.9 91.96,35.9 v3(91.64,36.22) ; v3(97.18,30.65) 97.53,30.3 97.57,30.3 ; v3(95.59,33.92) 95.97,33.54 95.97,33.5 ; 96.77,30.3 96.72,30.3 v3(96.36,30.66) ; v3(91.56,34.66) 91.92,34.3 91.97,34.3 91.97,34.29 ; v3(98.79,29.12) 98.41,29.5 98.37,29.5 ; v3(101.12,28.28) 100.77,28.63 100.77,28.7 ; 94.37,27.1 94.31,27.1 v3(93.95,26.74) ; 98.37,30.3 98.38,30.3 v3(98.74,30.66) ; v3(92.35,28.31) 92.74,28.7 92.77,28.7 ; v3(95.59,31.44) 95.6,31.44 95.94,31.1 95.97,31.1 95.91,31.1 ; v3(95.64,28.32) 95.97,28.65 95.97,28.7 ; v3(99.6,30.71) 99.19,30.3 99.17,30.3 ; 99.17,31.1 99.18,31.1 v3(99.52,31.44) ; 92.77,30.3 92.76,30.3 v3(92.37,30.69) ; v3(99.58,28.34) 99.22,28.7 99.17,28.7 ; C7.2 v3(99.19,43.34) ; 98.37,26.3 98.37,26.25 v3(98.74,25.88) ; v3(97.16,31.5) 97.56,31.1 97.57,31.1 97.58,31.11 ; 94.37,33.5 94.36,33.5 v3(93.98,33.88) ; v3(97.15,29.13) 97.52,29.5 97.57,29.5 ; 94.36,30.3 94.37,30.3 94.35,30.3 v3(93.97,30.68) ; v3(99.52,33.88) 99.44,33.88 99.17,33.61 99.17,33.5 ; U12.2 95.67,42.88 v3(95.67,42.87) ; 99.97,33.5 99.97,33.52 v3(100.36,33.91) ; v3(98.73,27.52) 98.37,27.16 98.37,27.1 ; v3(97.19,33.92) 97.57,33.54 97.57,33.5 ; v3(96.39,29.11) 96.77,29.49 96.77,29.5 ; v3(95.63,29.09) 95.97,29.43 95.97,29.5 ; v3(94.84,34.64) 95.17,34.31 95.17,34.3 ; v3(91.57,30.66) 91.93,30.3 91.97,30.3 91.97,30.29 ; v3(91.55,33.08) 91.93,32.7 91.97,32.7 91.97,32.69 ; 96.77,34.3 96.77,34.31 v3(96.38,34.7) ; 98.37,31.9 98.41,31.9 v3(98.76,32.25) ; v3(101.12,32.25) U16.D6 100.77,31.9 ; 97.57,28.7 97.53,28.7 v3(97.17,28.34) ; 99.17,31.9 99.17,31.91 v3(99.54,32.28) ; v3(95.57,26.69) 95.97,27.09 95.97,27.1 ; v3(91.56,33.84) 91.9,33.5 91.97,33.5 91.97,33.49 ; 99.97,26.3 99.97,26.26 v3(100.33,25.9) ; v3(96.31,31.47) 96.68,31.1 96.77,31.1 ; v3(101.95,28.29) 101.57,28.67 101.57,28.7 ; 92.77,31.9 92.76,31.9 v3(92.39,32.27) ; 95.97,30.3 95.87,30.3 v3(95.51,30.66) ; 97.57,27.1 97.48,27.1 97.12,26.74 v3(97.12,26.61) ; 101.57,31.9 101.61,31.9 v3(101.97,32.26) ; v3(91.51,29.1) 91.91,29.5 91.97,29.5 91.97,29.49 ; 92.77,29.47 92.76,29.46 v3(92.58,29.46) ; v3(96.36,28.31) 96.75,28.7 96.77,28.7 ; 96.77,26.3 96.71,26.3 v3(96.35,25.94) ; 91.97,31.89 91.97,31.9 91.96,31.9 v3(91.58,32.28) ; 98.37,33.5 98.37,33.59 98.6,33.82 98.74,33.82 ; v3(92.35,33.88) 92.73,33.5 92.77,33.5 ; v3(95.66,32.26) 95.97,31.95 95.97,31.9 ; v3(101.98,33.9) 101.58,33.5 101.57,33.5 ; 91.97,35.04 91.97,35.1 91.94,35.1 v3(91.56,35.48)
  Top w0.3: v3(86.04,32.41) 86.05,32.4 R52.2 ; U22.2 83.41,27.87 83.69,28.15 C170.1 ; v3(86.03,34.5) 86.02,34.51 R42.2
  In1.Cu w0.2: 100.26,-15 100.84,-14.42 100.84,-14.19 ; 101.05,-13.04 101.05,-13.29 101.21,-13.45 ; 112.36,-6.93 112.53,-6.76 112.77,-6.76 ; 108.47,-4.99 109.09,-4.37 109.09,-4.06 ; 102.2,-13.45 102.2,-13.49 102.46,-13.75 ; 104.89,-1.34 104.89,-1.68 104.83,-1.74
  In1.Cu w0.25: 151.11,80.89 151.81,80.89
  Bottom w0.2: v1(125.29,46.15) 125.98,46.15 C115.2 ; v1(60.45,24.48) 60.46,24.47 ; v1(10.09,18.61) 10.04,18.56 ; v1(105.95,54.51) 105.95,54.05 C238.1 ; C239.1 107.08,50.77 v1(107.03,50.72) ; J3.10 118.57,56.93 R165.1
  Bottom w0.25: v3(97.17,28.34) 97.17,27.96 C141.1 ; C143.1 95.23,29.5 v3(95.63,29.09) ; C155.1 98.46,24.98 98.74,25.26 v3(98.74,25.88) ; R174.1 v3(105.5,20.61) ; v3(99.58,28.34) 99.35,28.11 C140.1 ; v3(93.97,30.68) 93.98,30.69 ; C139.1 99.39,29.25 v3(99.54,29.1) ; v3(97.16,32.28) 97.24,32.28 97.74,32.78 97.74,32.8 ; v3(103.69,35.15) 103.65,35.1 103.65,34.15 ; v3(99.54,32.28) 99.3,32.52 C129.1 ; F2.2 100.11,41.54 v3(100.16,41.59) ; v3(95.59,31.44) 95.49,31.34 C142.1 ; C134.1 89.12,32.5 v3(89.12,32.05) ; C156.1 96.04,22.4 v3(96.01,22.38) ; v3(106.49,17.12) 106.69,17.12 107.41,17.84 ; 105.16,20.44 105.14,20.42
  Bottom w0.3: R178.2 99.39,16.83 100.33,16.83 v3(100.71,16.45) ; v3(100.97,37.84) 100.96,37.83 C127.1 ; v3(108.53,27.02) 108.54,27.01 C138.1 ; C128.1 99.73,37.86 v3(99.72,37.87) ; C171.2 84.66,26.45 ; C126.1 v3(102.15,37.66)
  Bottom w0.5: C144.1 89.37,29.69 v3(89.37,30.41) ; v3(89.57,24.22) 89.57,24.22 C157.1 ; C112.1 114.67,57.59 v3(114.67,57.59) ; v3(89.5,35.87) 89.57,35.8 C133.1 ; R164.1 99.56,57.02 v3(99.56,57.02) ; v3(94.4,40) 94.39,39.99 C120.1 ; v3(89.4,26.75) 89.39,26.76 C145.1
  vias: v1(38.57,17.73) v1(48.19,26.52) v1(58.02,23.46) v1(59.59,23.61) v2(7.02,49.27) v2(7.02,48.25) v2(7.02,41.14) v2(7.02,40.12) v2(8.04,48.76) v2(8.04,40.63) v2(9.05,49.27) v2(9.05,48.25) v2(9.05,41.14) v2(9.05,40.12) v2(17.18,51.83) v2(17.18,45.71) v2(21.75,41.14) v2(21.75,40.12) v2(22.03,51.83) v2(22.03,45.69) v2(22.81,40.63) v2(23.82,41.14) v2(23.82,40.12) v2(24.93,54.29) v2(24.87,48.78) v2(28.33,48.34) v2(31.07,48.72) v2(32.71,52.97) v2(34.97,53.45) v2(35.68,43.65) v2(37.71,47.97) v2(38.54,45.43) v2(40.55,60.7) v2(40.55,58.54) v2(41.26,59.68) v2(41.95,60.7) v2(41.95,58.54) v2(41.93,47.93) v2(41.93,45.68) v2(46.14,56.25) v2(46.14,53.97) v2(46.35,47.18) v2(46.55,55.11) v2(47.02,56.25) v2(47.02,53.97) v2(89.04,46.85) v3(85.06,25.86) v3(98.75,33.87) v3(118.43,45.76)
